# Altium PCB 3-as-manufactured.pcbdoc (part 5 of 12)
Units mil, origin at the board's own origin, x right, y up, seen from the top; angles counter-clockwise.
Board outline 2728 x 2217 mil, 8 copper layers (L1_TOP, L2_GND, L3_INNER1, L4_GND, L5_PWR, L6_INNER2, L7_GND, L8_BOT), stack 48.618 mil thick; 227 components, 321 nets, 1592 pads, 1187 vias.
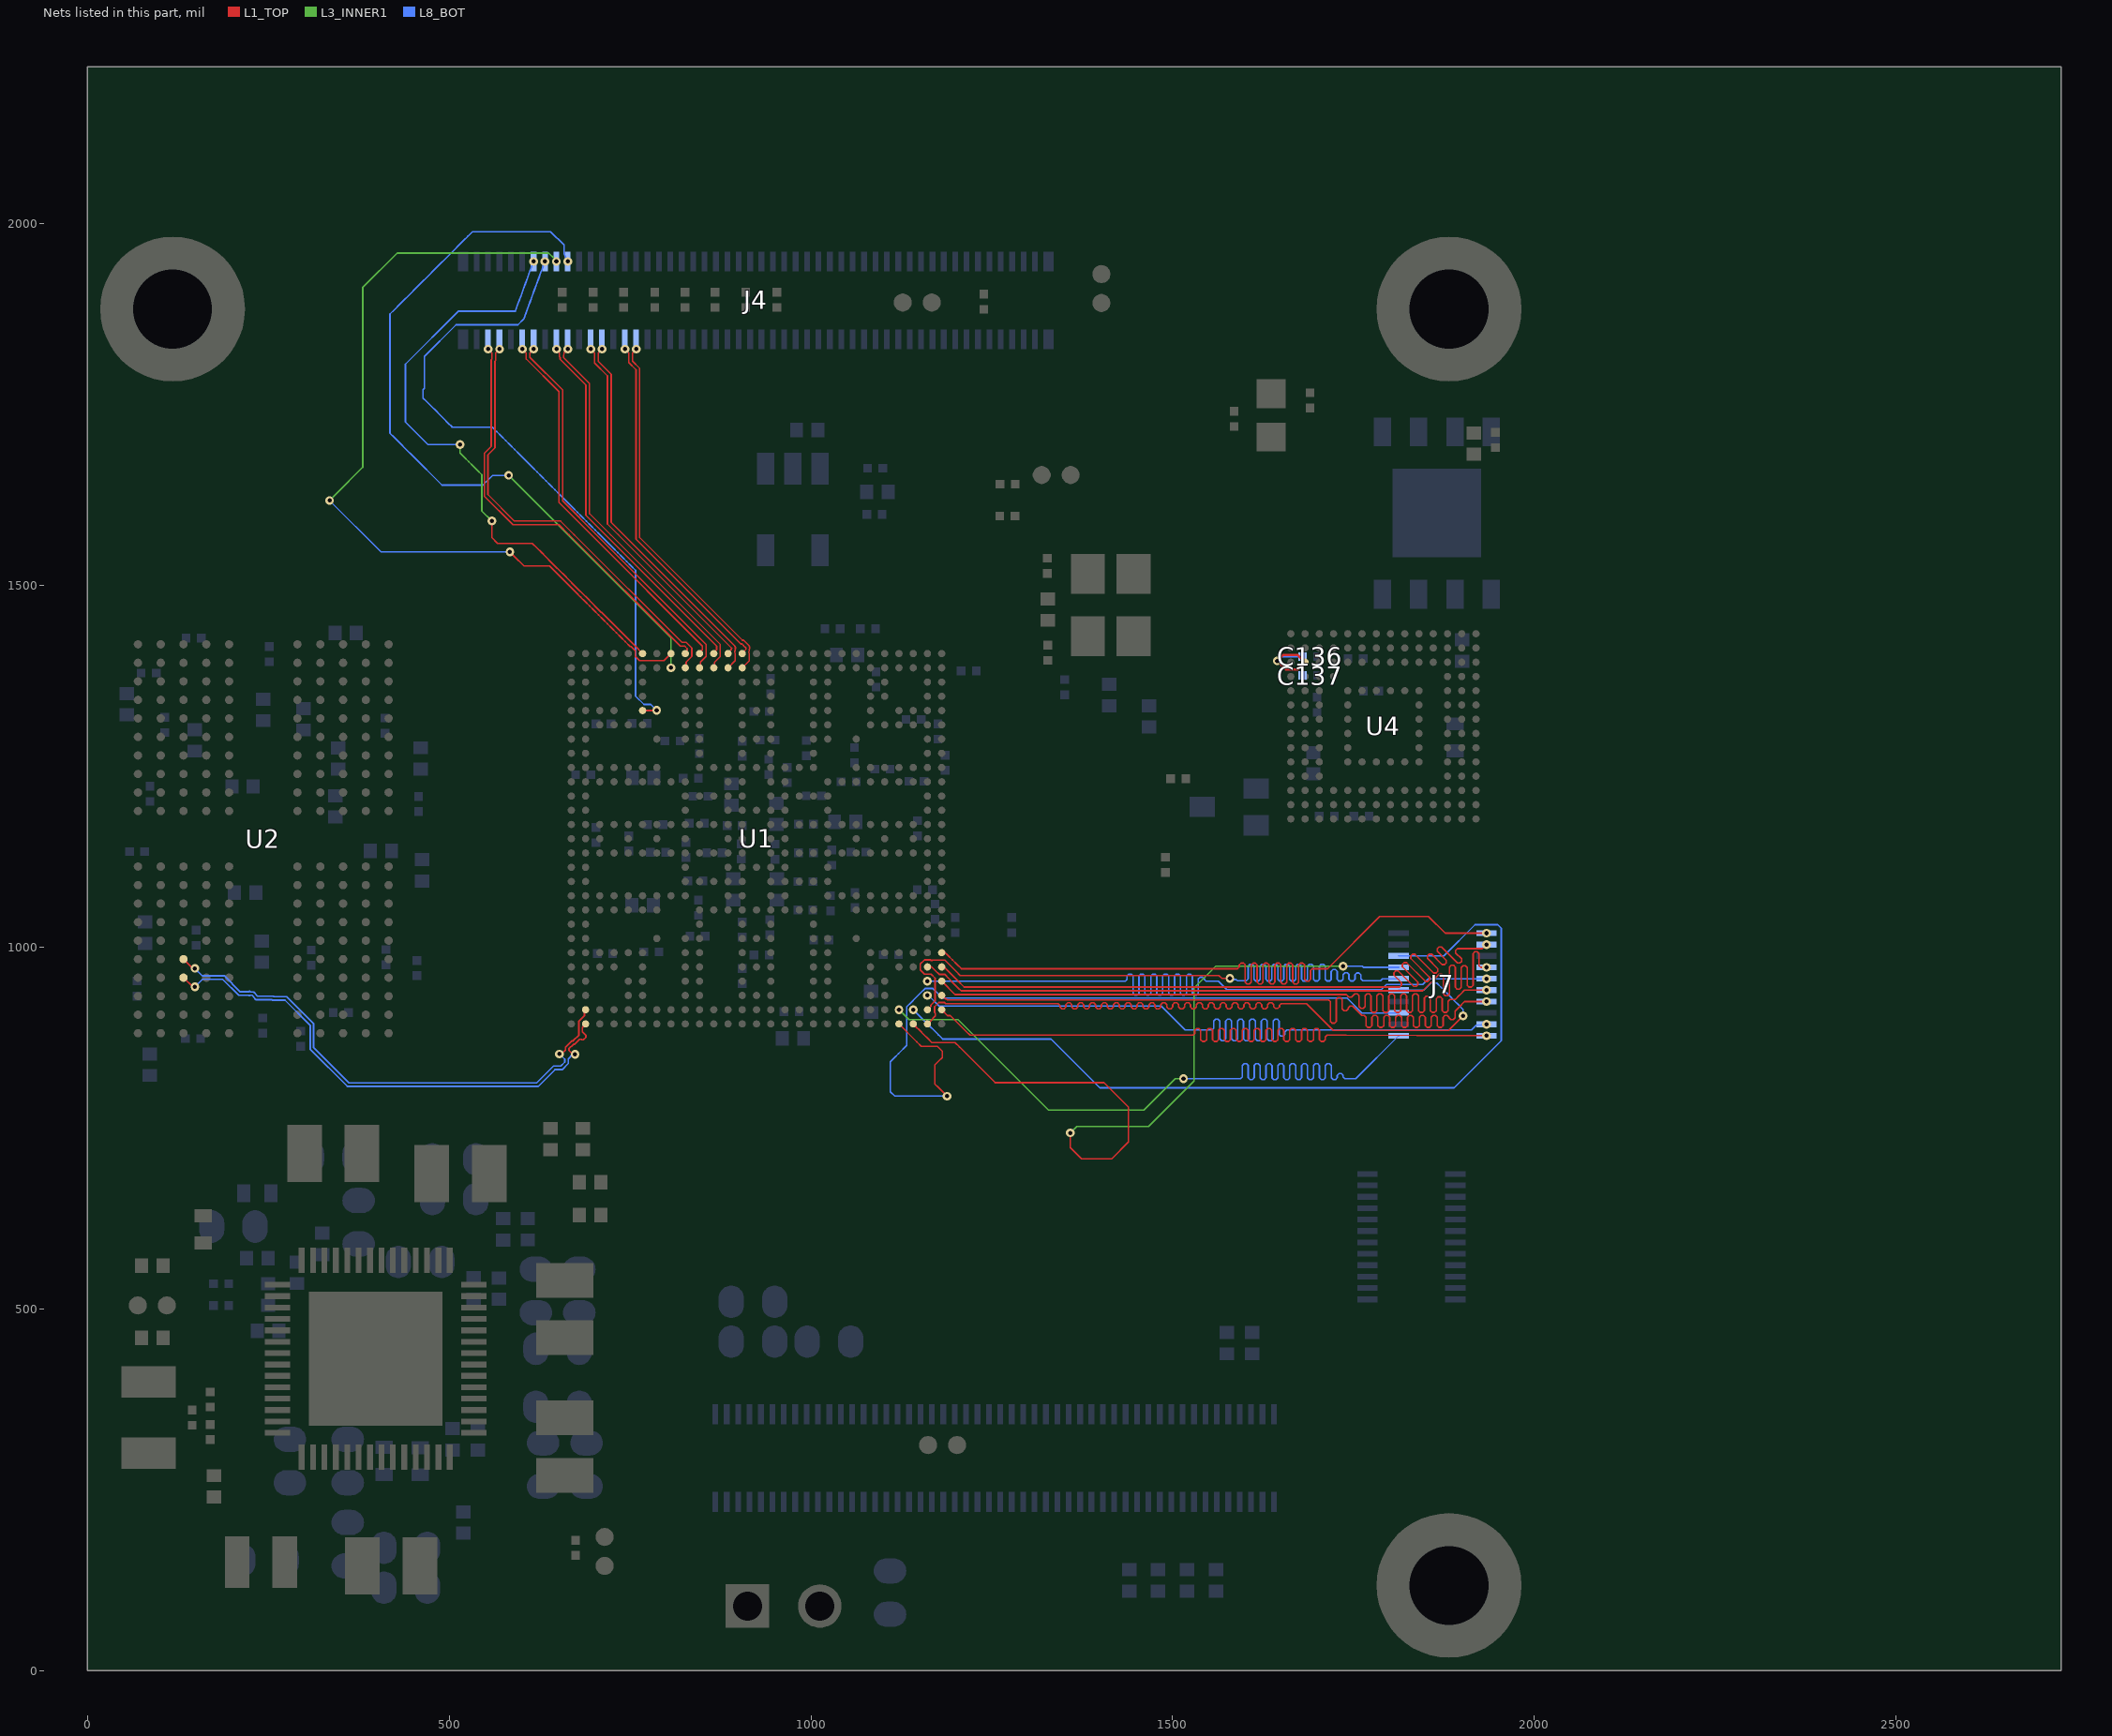
[diagram p11: the nets of this part, all layers, seen from the top]

## Via types
v1: diameter 12, hole 5.9, L1_TOP to L8_BOT, tented both sides, 1041 vias
v2: diameter 18, hole 8, L1_TOP to L8_BOT, tented both sides, 146 vias

## Nets (pads, with @x,y where several pads share a name; then routed paths per layer and width w, separated by ;. In a path a pad name is that pad's centre, name@x,y a point inside that pad or via, vN(x,y) a via of type N, cw(c..) or ccw(c..) an arc to the next point about the centre after c; other vN are vias at no path point) (continued)
DRAMB_SDQS1_C: U1.AF2 U2.E10 | length 722.2
  L1_TOP w2.3: U2.E10@133.09,983.56 145.88,970.77 v1(148.84,970.77) ; v1(652.41,852.45) 655.47,852.45 660.86,857.84 660.86,861.56 669.9,870.6 671.53,870.6 679.52,878.59 679.52,897.78 687.28,905.54 687.28,912.29 U1.AF2@688.67,913.68
  L8_BOT w2.3: v1(148.84,970.77) 159.23,960.38 168.32,960.38 168.54,960.6 189.19,960.6 211.39,938.4 223.4,938.4 224,939 ; 225.16,939 225.43,938.37 229.73,937.88 229.85,937.87 229.93,937.85 230.02,937.83 230.1,937.81 230.18,937.79 230.26,937.76 230.34,937.73 230.42,937.7 230.49,937.67 230.57,937.63 230.64,937.59 230.72,937.55 230.79,937.5 230.86,937.45 230.93,937.4 230.99,937.35 231.06,937.3 231.12,937.24 231.18,937.18 231.24,937.12 231.29,937.05 231.35,936.99 235.07,932.28 257.29,932.28 257.88,931.69 275.3,931.69 312.93,894.05 312.93,861.07 361.56,812.44 608.97,812.44 621.16,812.44 644.43,835.71 654.31,835.71 659.97,841.38 659.97,842.14 659.97,845.19 652.71,852.45 v1(652.41,852.45)
DRAMB_SDQS1_T: U1.AG2 U2.D10 | length 718.9
  L1_TOP w2.3: U2.D10@133.09,957.97 145.88,945.18 v1(148.84,945.18) ; v1(674.11,852.11) 671.05,852.11 665.66,857.5 665.66,859.57 671.89,865.8 673.51,865.8 673.77,866.06 680.46,872.74 682.8,872.74 683.41,872.13 685.76,872.13 689.28,875.65 689.28,878 684.32,882.96 684.32,888.78 687.92,892.38 688.67,893.13 U1.AG2@688.67,893.99
  L8_BOT w2.3: v1(148.84,945.18) 159.23,955.58 170.31,955.58 170.53,955.8 187.2,955.8 209.4,933.6 223.4,933.6 224,933 ; 224.96,933.43 224.89,933.6 228.21,933.23 232.03,928.39 232.09,928.33 232.14,928.27 232.2,928.2 232.26,928.14 232.32,928.09 232.39,928.03 232.45,927.98 232.52,927.93 232.59,927.88 232.66,927.84 232.74,927.79 232.81,927.75 232.89,927.72 232.96,927.68 233.04,927.65 233.12,927.62 233.2,927.59 233.28,927.57 233.36,927.55 233.45,927.53 233.53,927.52 233.61,927.5 233.7,927.49 233.78,927.49 233.87,927.49 ; 233.91,927.48 255.3,927.48 255.9,926.89 273.31,926.89 308.13,892.06 308.13,859.08 359.57,807.64 623.14,807.64 646.41,830.91 656.3,830.91 664.77,839.39 664.77,845.43 670.86,851.99 v1(674.11,852.11)
DSI_CK_N: J4.15 U1.A11 | length 511.7
  L1_TOP w2.1: v1@648.53,1826.15 648.53,1825.09 652.27,1821.35 652.27,1816.47 653.47,1815.27 653.47,1812.55 689.1,1776.93 689.1,1631.82 689.1,1607.04 689.1,1597.04 869.78,1416.36 869.78,1410.99 866.96,1408.17 U1.A11@866.96,1407.24
  other v1: 648.55,1826.55
DSI_CK_P: J4.17 U1.B11 | length 535.9
  L1_TOP w2.1: v1@664.28,1826.15 658.81,1821.42 658.57,1816.47 658.57,1814.67 694.2,1779.04 694.2,1599.15 723.35,1570 874.88,1418.47 874.88,1402.06 867.09,1394.27 867.09,1387.37 U1.B11@865.83,1386.12
  other v1: 664.3,1826.55
DSI_D0_N: J4.3 U1.A9 | length 585.1
  L1_TOP w2.1: v1@554.04,1826.15 554.46,1826.15 559.38,1821.23 559.38,1813.17 558.3,1812.08 558.3,1692.1 548.69,1682.49 548.69,1623.5 588.39,1583.8 651.94,1583.8 665.74,1570 819.68,1416.06 825.67,1416.06 829,1412.73 829,1410.48 826.47,1407.94 U1.A9@826.47,1405.81
  other v1: 554.06,1826.55
DSI_D0_P: J4.5 U1.B9 | length 608.1
  L1_TOP w2.1: v1@569.79,1826.15 569.41,1826.15 564.48,1821.23 564.48,1811.06 563.4,1809.97 563.4,1689.99 553.79,1680.38 553.79,1625.62 590.5,1588.9 654.06,1588.9 672.96,1570 821.8,1421.16 827.78,1421.16 835.52,1413.42 835.52,1402.06 827.73,1394.27 827.73,1387.38 U1.B9@826.47,1386.12
  other v1: 569.81,1826.55
DSI_D1_N: J4.9 U1.A10 | length 525.2
  L1_TOP w2.1: v1@601.29,1826.15 601.61,1826.15 606.75,1821 606.75,1812.93 651.8,1767.88 651.8,1614.65 696.46,1570 850.1,1416.36 850.1,1410.99 846.14,1407.03 U1.A10@846.15,1405.81
  other v1: 601.31,1826.55
DSI_D1_P: J4.11 U1.B10 | length 546.6
  L1_TOP w2.1: v1@617.03,1826.07 611.85,1820.9 611.85,1815.04 656.9,1770 656.9,1616.77 703.67,1570 855.2,1418.47 855.2,1402.06 847.41,1394.27 847.41,1387.38 U1.B10@846.15,1386.12
  other v1: 617.05,1826.55
DSI_D2_N: J4.21 U1.A12 | length 503.8
  L1_TOP w2.1: v1(695.79,1826.55) 701.11,1821.23 701.11,1807.5 718.95,1789.66 718.95,1584.96 733.91,1570 890.62,1413.29 890.83,1413.29 889.92,1412.38 889.92,1411.01 885.51,1406.6 U1.A12@885.52,1405.81
DSI_D2_P: J4.23 U1.B12 | length 524.6
  L1_TOP w2.1: v1@711.52,1826.15 711.14,1826.15 706.21,1821.23 706.21,1809.61 724.05,1791.77 724.05,1587.07 741.12,1570 895.1,1416.02 895.1,1415.81 895.17,1415.74 895.23,1415.67 895.28,1415.61 895.33,1415.54 895.38,1415.47 895.43,1415.4 895.47,1415.33 895.51,1415.26 895.55,1415.18 895.59,1415.11 895.62,1415.03 895.65,1414.95 895.68,1414.87 895.71,1414.79 895.73,1414.71 895.75,1414.62 895.77,1414.54 895.78,1414.46 895.79,1414.37 895.8,1414.29 895.8,1414.21 895.81,1414.12 895.8,1414.04 895.8,1413.95 895.79,1413.87 895.78,1413.78 895.77,1413.7 894.65,1407.21 895.31,1407.3 895.51,1407.32 ; U1.B12@885.52,1386.12 895.51,1396.1 895.51,1405.81
  other v1: 711.54,1826.55
DSI_D3_N: J4.27 U1.A13 | length 493.7
  L1_TOP w2.1: v1@743.02,1826.15 743.44,1826.15 748.36,1821.23 748.36,1807.95 758.41,1797.91 758.41,1570 758.41,1563.94 903.19,1419.16 904.8,1419.16 906.71,1417.24 906.71,1416.99 910.26,1413.45 910.51,1413.45 910.51,1412.04 905.7,1407.23 U1.A13@905.7,1405.17
  other v1: 743.04,1826.55
DSI_D3_P: J4.29 U1.B13 | length 513.9
  L1_TOP w2.1: v1@758.77,1826.15 758.39,1826.15 753.46,1821.23 753.46,1810.07 763.51,1800.02 763.51,1570 763.51,1566.05 905.3,1424.26 906.91,1424.26 914.8,1416.37 914.8,1415.94 914.84,1415.9 914.9,1415.84 914.95,1415.78 915.01,1415.71 915.06,1415.64 915.11,1415.57 915.15,1415.5 915.19,1415.43 915.23,1415.36 915.27,1415.28 915.31,1415.2 915.34,1415.12 915.37,1415.04 915.4,1414.97 915.42,1414.88 915.44,1414.8 915.46,1414.72 915.47,1414.64 915.49,1414.55 915.49,1414.47 915.5,1414.38 915.5,1414.3 915.5,1414.21 915.5,1414.13 915.5,1414.05 915.49,1413.96 915.48,1413.88 915.46,1413.79 914.19,1407.17 914.6,1407.25 914.92,1407.32 ; U1.B13@905.21,1386.12 914.91,1395.82 914.91,1405.81
  other v1: 758.79,1826.55
ECSPI2_MISO: J4.16 U1.A8 | length 1178.2
  L1_TOP w2.2: v1(584.05,1546.23) 590.3,1539.98 603.52,1526.75 612.41,1526.75 621.3,1526.75 630.18,1526.75 639.07,1526.75 645.21,1520.61 651.36,1514.46 657.5,1508.32 663.65,1502.17 669.79,1496.03 675.93,1489.88 682.08,1483.74 688.22,1477.59 694.37,1471.45 700.51,1465.31 706.66,1459.16 712.8,1453.02 718.95,1446.87 725.09,1440.73 731.23,1434.58 737.38,1428.44 743.52,1422.29 750.17,1415.65 751.81,1415.65 757.57,1409.89 757.57,1401.73 763.33,1395.97 771.49,1395.97 ; 771.51,1395.95 780.47,1395.95 788.69,1395.95 796.91,1395.95 U1.A8@806.78,1405.81
  L3_INNER1 w2.2: v1(334.87,1617.35) 343.46,1625.94 380.7,1663.18 380.7,1911.56 428.49,1959.35 637.69,1959.35 645.26,1951.79 v1@648.31,1947.76
  L8_BOT w2.2: v1(334.87,1617.35) 405.99,1546.23 414.9,1546.23 423.8,1546.23 432.7,1546.23 441.6,1546.23 450.51,1546.23 459.41,1546.23 468.31,1546.23 477.22,1546.23 486.12,1546.23 495.02,1546.23 503.92,1546.23 512.83,1546.23 521.73,1546.23 530.63,1546.23 539.54,1546.23 548.44,1546.23 557.34,1546.23 566.24,1546.23 575.15,1546.23 v1(584.05,1546.23)
  other v1: 648.3,1947.75
ECSPI2_MOSI: J4.18 U1.B8 | length 1041.8
  L3_INNER1 w2.2: v1(582.39,1652.12) 806.77,1427.73 v1(806.78,1386.12)
  L8_BOT w2.2: v1(582.39,1652.12) 560.24,1652.12 555.74,1647.61 551.23,1643.11 546.73,1638.61 538.66,1638.61 530.59,1638.61 490.23,1638.61 448.37,1680.47 442.39,1686.45 430.43,1698.41 424.45,1704.39 418.47,1710.37 418.47,1771.02 418.47,1814.34 418.47,1823.01 418.47,1866.33 418.47,1875 424.79,1881.32 431.12,1887.65 437.44,1893.97 443.77,1900.3 456.42,1912.95 462.75,1919.28 469.07,1925.6 481.72,1938.25 488.05,1944.58 494.38,1950.9 507.03,1963.56 513.35,1969.88 519.68,1976.21 526,1982.53 532.33,1988.86 640.41,1988.86 658.84,1970.42 658.84,1958.54 v1(664.05,1947.75)
ECSPI2_SCLK: J4.14 U1.E6 | length 924.8
  L1_TOP w2.2: U1.E6@767.41,1327.06 786.49,1327.06 v1(786.89,1327.46)
  L8_BOT w2.2: v1(632.55,1947.75) 629.63,1939.79 626.69,1931.82 623.76,1923.85 620.82,1915.89 617.89,1907.92 614.96,1899.95 612.02,1891.98 609.09,1884.02 606.15,1876.05 603.22,1868.08 595.25,1860.1 509.65,1860.1 466.16,1816.61 466.16,1772.6 464.06,1770.5 464.06,1759.01 469.81,1753.26 475.55,1747.51 481.3,1741.77 487.05,1736.02 492.79,1730.27 498.54,1724.53 503.97,1719.09 504.29,1718.77 512.22,1718.77 520.15,1718.77 528.08,1718.77 536.01,1718.77 543.94,1718.77 551.87,1718.77 559.8,1718.77 565.99,1712.58 572.17,1706.39 578.36,1700.2 584.55,1694.02 590.74,1687.83 596.93,1681.64 603.12,1675.45 609.31,1669.26 615.5,1663.07 621.69,1656.88 627.88,1650.69 634.06,1644.5 640.25,1638.31 646.44,1632.13 652.63,1625.94 658.82,1619.75 665.01,1613.56 671.2,1607.37 677.39,1601.18 683.58,1594.99 689.77,1588.8 695.95,1582.61 702.14,1576.42 708.33,1570.24 714.52,1564.05 720.71,1557.86 726.9,1551.67 733.09,1545.48 739.28,1539.29 745.47,1533.1 751.65,1526.91 757.84,1520.72 757.84,1512.04 757.84,1503.35 757.84,1494.66 757.84,1485.98 757.84,1477.29 757.84,1468.6 757.84,1459.92 757.84,1451.23 757.84,1442.54 757.84,1433.86 757.84,1425.17 757.84,1416.48 757.84,1407.8 757.84,1399.11 757.84,1390.42 757.84,1381.74 757.84,1373.05 757.84,1364.36 757.84,1355.67 757.84,1346.99 769.39,1335.43 778.92,1335.43 v1(786.89,1327.46)
ECSPI2_SS0: J4.12 U1.A6 | length 845.4
  L1_TOP w2.2: v1(559.16,1589.07) 559.16,1566.18 567.14,1558.21 575.12,1558.21 583.09,1558.21 591.07,1558.21 599.05,1558.21 607.02,1558.21 615,1558.21 621.35,1551.86 627.7,1545.51 634.05,1539.16 640.4,1532.81 646.74,1526.46 653.09,1520.11 659.44,1513.76 665.79,1507.41 672.14,1501.06 678.49,1494.71 684.84,1488.36 691.19,1482.01 697.54,1475.66 703.89,1469.31 710.24,1462.96 710.71,1462.96 761.97,1411.71 761.97,1411.23 U1.A6@767.39,1405.82
  L3_INNER1 w2.2: v1(515.12,1694.58) 515.12,1683.19 521.17,1677.14 527.23,1671.09 533.28,1665.03 539.33,1658.98 545.39,1652.93 545.39,1644.58 545.39,1636.24 545.39,1627.89 545.39,1619.54 545.39,1611.2 545.39,1602.85 v1(559.16,1589.07)
  L8_BOT w2.2: v1(515.12,1694.58) 506.56,1694.58 470.75,1694.58 439.73,1725.61 439.73,1734.53 439.73,1743.44 439.73,1752.35 439.73,1761.27 439.73,1770.18 439.73,1779.09 439.73,1788.01 439.73,1796.92 439.73,1805.83 512.72,1878.83 591.43,1878.83 594.25,1886.5 597.07,1894.15 599.89,1901.81 602.71,1909.47 605.53,1917.13 608.35,1924.78 611.17,1932.44 613.99,1940.1 v1(616.8,1947.75)
EMMC_VDDIM: C136.1 C137.1 U4.C2 | length 156.9
  L1_TOP w3: v1(1644.42,1395.66) 1656.22,1383.86 1672.93,1383.86 U4.C2@1682.91,1393.84 1673.04,1403.71 1652.47,1403.71 v1(1644.42,1395.66)
  L8_BOT w3: v1(1644.42,1395.66) 1650.42,1401.66 C136.1@1679.38,1401.66 C137.1@1679.38,1375.66
ENET_MDC: J7.18 U1.AC27 | length 1090.1
  L1_TOP w2.2: U1.AC27@1180.81,972.74 1182.42,974.35 1187.43,969.34 1192.58,964.2 1197.73,959.06 1202.87,953.91 1211.75,945.04 1812.12,945.04 1813.68,945.04 1816.14,947.5 1816.14,950.98 1805.77,961.34 1805.77,964.82 1808.09,967.14 1811.57,967.14 1832.93,945.78 1836.41,945.78 1838.73,948.1 1838.73,951.58 1817.37,972.93 1817.37,976.41 1819.69,978.73 1823.17,978.73 1849.03,952.87 1852.51,952.87 1854.83,955.19 1854.83,958.67 1828.97,984.53 1828.97,988.01 1831.28,990.33 1834.76,990.33 1860.62,964.47 1864.1,964.47 1866.42,966.79 1866.42,970.27 1852.07,984.62 1852.07,988.09 1854.39,990.41 1857.87,990.41 1872.22,976.07 1875.7,976.07 1878.02,978.38 1878.02,981.86 1865.53,994.36 1865.53,997.84 1867.85,1000.16 1871.32,1000.16 1893.34,978.14 1896.81,978.14 1899.13,980.46 1899.13,983.94 1890.97,992.1 1890.97,995.58 1893.43,998.04 1920.97,998.04 1927.82,998.04 v1(1933.49,1003.69)
ENET_MDIO: J7.20 U1.AB27 | length 1103.4
  L1_TOP w2.2: U1.AB27@1180.8,992.42 1183.28,994.89 1189.42,988.75 1195.56,982.61 1201.7,976.47 1207.83,970.33 1216.69,970.33 1225.54,970.33 1234.39,970.33 1243.24,970.33 1252.1,970.33 1260.95,970.33 1269.8,970.33 1278.65,970.33 1287.5,970.33 1296.36,970.33 1305.21,970.33 1314.06,970.33 1322.91,970.33 1331.77,970.33 1340.62,970.33 1349.47,970.33 1358.32,970.33 1367.17,970.33 1376.03,970.33 1384.88,970.33 1393.73,970.33 1402.58,970.33 1411.44,970.33 1420.29,970.33 1429.14,970.33 1437.99,970.33 1446.84,970.33 1455.7,970.33 1464.55,970.33 1473.4,970.33 1482.25,970.33 1491.11,970.33 1499.96,970.33 1508.81,970.33 1517.66,970.33 1526.51,970.33 1535.37,970.33 1544.22,970.33 1553.07,970.33 1561.92,970.33 1570.78,970.33 1579.63,970.33 1588.48,970.33 1589.58,970.33 1592.04,972.79 1592.04,975.54 1594.5,978 1597.78,978 1600.24,975.54 1600.24,951.7 1602.7,949.24 1605.98,949.24 1608.44,951.7 1608.44,975.54 1610.9,978 1614.18,978 1616.64,975.54 1616.64,951.7 1619.1,949.24 1622.38,949.24 1624.84,951.7 1624.84,975.54 1627.3,978 1630.58,978 1633.04,975.54 1633.04,951.7 1635.5,949.24 1638.78,949.24 1641.24,951.7 1641.24,975.54 1643.7,978 1646.98,978 1649.44,975.54 1649.44,951.7 1651.9,949.24 1655.18,949.24 1657.64,951.7 1657.64,975.54 1660.1,978 1663.38,978 1665.84,975.54 1665.84,951.7 1668.3,949.24 1671.58,949.24 1674.04,951.7 1674.04,975.54 1676.5,978 1679.78,978 1682.24,975.54 1682.24,955.48 1684.7,953.02 1687.98,953.02 1690.44,955.48 1690.44,967.87 1692.9,970.33 1710.12,970.33 1714.09,970.33 1786.17,1042.41 1853.55,1042.41 1876.51,1019.45 v1@1933.48,1019.45
  other v1: 1933.49,1019.44
ENET_RD0: J7.8 U1.AE27 | length 1051.4
  L1_TOP w2.2: U1.AE27@1180.8,933.36 1185.45,928.72 1187.03,928.72 1188.41,927.34 1706.13,927.34 1715.43,927.34 1717.89,924.88 1717.89,897.51 1720.35,895.05 1723.63,895.05 1726.09,897.51 1726.09,927.98 1728.55,930.44 1731.83,930.44 1734.29,927.98 1734.29,914.72 1736.75,912.26 1740.03,912.26 1742.49,914.72 1742.49,916.24 1744.95,918.7 1748.42,918.7 1761.38,905.74 1764.63,905.74 1767.09,903.28 1767.09,891.66 1769.55,889.2 1772.83,889.2 1775.29,891.66 1775.29,903.28 1777.75,905.74 1781.03,905.74 1783.49,903.28 1783.49,891.66 1785.95,889.2 1789.23,889.2 1791.69,891.66 1791.69,903.28 1794.15,905.74 1797.43,905.74 1799.89,903.28 1799.89,891.66 1802.35,889.2 1805.63,889.2 1808.09,891.66 1808.09,903.28 1810.55,905.74 1813.83,905.74 1816.29,903.28 1816.29,891.66 1818.75,889.2 1822.03,889.2 1824.49,891.66 1824.49,903.28 1826.95,905.74 1830.23,905.74 1832.69,903.28 1832.69,891.66 1835.15,889.2 1838.43,889.2 1840.89,891.66 1840.89,903.28 1843.35,905.74 1846.63,905.74 1849.09,903.28 1849.09,891.66 1851.55,889.2 1854.83,889.2 1857.29,891.66 1857.29,903.28 1859.75,905.74 1863.03,905.74 1865.49,903.28 1865.49,891.66 1867.95,889.2 1871.23,889.2 1873.69,891.66 1873.69,903.28 1876.15,905.74 1879.43,905.74 1881.89,903.28 1881.89,902.37 1884.35,899.91 1887.63,899.91 1890.09,902.37 1890.09,911.74 1895.27,916.93 1903.3,924.96 v1(1933.49,924.95)
ENET_RD1: J7.10 U1.AD27 | length 1100.3
  L1_TOP w2.2: U1.AD27@1180.8,953.05 1199.22,934.64 1739.84,934.64 1742.37,932.11 1743.61,930.86 1747.09,930.86 1751.87,935.64 1755.15,935.64 1757.61,933.18 1757.61,917.92 1760.07,915.46 1763.35,915.46 1765.81,917.92 1765.81,933.18 1768.27,935.64 1771.55,935.64 1774.01,933.18 1774.01,912.4 1776.47,909.94 1779.75,909.94 1782.21,912.4 1782.21,933.18 1784.67,935.64 1787.95,935.64 1790.41,933.18 1790.41,912.4 1792.87,909.94 1796.15,909.94 1798.61,912.4 1798.61,933.18 1801.07,935.64 1804.35,935.64 1806.81,933.18 1806.81,912.4 1809.27,909.94 1812.55,909.94 1815.01,912.4 1815.01,933.18 1817.47,935.64 1820.75,935.64 1823.21,933.18 1823.21,912.4 1825.67,909.94 1828.95,909.94 1831.41,912.4 1831.41,933.18 1833.87,935.64 1837.15,935.64 1839.61,933.18 1839.61,912.4 1842.07,909.94 1845.35,909.94 1847.81,912.4 1847.81,929.95 1850.27,932.41 1853.55,932.41 1856.01,929.95 1856.01,912.4 1858.47,909.94 1861.75,909.94 1864.21,912.4 1864.21,928.85 1866.67,931.31 1869.95,931.31 1872.41,928.85 1872.41,912.4 1874.87,909.94 1878.15,909.94 1880.61,912.4 1880.61,925.39 1883.07,927.85 1890.54,927.85 1896.15,933.46 1897.25,934.56 1903.4,940.71 v1(1933.49,940.7)
ENET_RD2: J7.12 U1.AD26 | length 1101.3
  L8_BOT w2.2: v1(1161.11,953.05) 1166.14,953.05 1174.96,953.05 1183.79,953.05 1192.61,953.05 1201.43,953.05 1210.25,953.05 1219.08,953.05 1227.9,953.05 1236.72,953.05 1245.54,953.05 1254.37,953.05 1263.19,953.05 1272.01,953.05 1280.83,953.05 1289.66,953.05 1298.48,953.05 1307.3,953.05 1316.12,953.05 1324.95,953.05 1333.77,953.05 1342.59,953.05 1351.41,953.05 1360.24,953.05 1369.06,953.05 1377.88,953.05 1386.7,953.05 1395.53,953.05 1404.35,953.05 1413.17,953.05 1421.99,953.05 1430.82,953.05 1433.43,953.05 1434.53,953.05 1436.99,955.51 1436.99,960.42 1439.45,962.88 1442.73,962.88 1445.19,960.42 1445.19,936.42 1447.65,933.96 1450.93,933.96 1453.39,936.42 1453.39,960.42 1455.85,962.88 1459.13,962.88 1461.59,960.42 1461.59,936.42 1464.05,933.96 1467.33,933.96 1469.79,936.42 1469.79,960.42 1472.25,962.88 1475.53,962.88 1477.99,960.42 1477.99,936.42 1480.45,933.96 1483.73,933.96 1486.19,936.42 1486.19,960.42 1488.65,962.88 1491.93,962.88 1494.39,960.42 1494.39,936.42 1496.85,933.96 1500.13,933.96 1502.59,936.42 1502.59,960.42 1505.05,962.88 1508.33,962.88 1510.79,960.42 1510.79,936.42 1513.25,933.96 1516.53,933.96 1518.99,936.42 1518.99,960.42 1521.45,962.88 1524.73,962.88 1527.19,960.42 1527.19,936.42 1529.65,933.96 1532.93,933.96 1535.39,936.42 1535.39,956.11 1537.85,958.57 1541.13,958.57 1543.59,956.11 1543.59,955.51 1546.05,953.05 1558.74,953.05 1563.15,953.05 1574.92,941.29 1788.03,941.29 1789.85,943.1 1795.29,948.54 1803.65,948.54 1812.02,948.54 1820.39,948.54 1828.76,948.54 1837.12,948.54 1845.49,948.54 1849.44,952.49 1853.39,956.44 1861.65,956.44 1869.91,956.44 1878.17,956.44 1886.44,956.44 1894.7,956.44 1902.96,956.44 1911.23,956.44 1919.49,956.44 v1(1933.49,956.44)
ENET_RD3: J7.14 U1.AC26 | length 1012.3
  L1_TOP w2.2: U1.AC26@1161.1,972.74 1166.86,972.76 1171.94,967.67 1177.03,962.59 1184.74,962.59 1191.08,956.25 1197.42,949.91 1203.76,943.57 1207.49,939.84 1225,939.84 1845.41,939.84 1848.47,942.9 1854.46,948.89 1860.29,954.72 1868.24,962.66 1871.71,962.66 1874.17,960.2 1874.17,935.49 1876.63,933.03 1879.91,933.03 1882.37,935.49 1882.37,972.52 1884.83,974.98 1888.11,974.98 1890.57,972.52 1890.57,944.48 1893.03,942.02 1896.31,942.02 1898.77,944.48 1898.77,971.97 1901.23,974.43 1904.51,974.43 1906.97,971.97 1906.97,947.37 1909.43,944.91 1912.71,944.91 1915.17,947.37 1915.17,991.38 1917.63,993.84 1920.91,993.84 1923.37,991.38 1923.37,974.66 1925.83,972.2 1928.46,972.2 v1(1933.49,972.19)
ENET_RX_CTL: J7.2 U1.AF27 | length 1096.2
  L1_TOP w2.2: U1.AF27@1180.8,913.68 1188.95,905.54 1190.88,905.54 1192.82,905.54 1198.23,900.12 1209.07,889.29 1214.48,883.87 1219.9,878.46 1291.62,878.46 1345.41,878.46 1444.03,878.46 1526.96,878.46 1528.06,878.46 1530.52,880.92 1530.52,885.26 1532.98,887.72 1536.26,887.72 1538.72,885.26 1538.72,872.22 1541.18,869.76 1544.46,869.76 1546.92,872.22 1546.92,885.26 1549.38,887.72 1552.66,887.72 1555.12,885.26 1555.12,872.22 1557.58,869.76 1560.86,869.76 1563.32,872.22 1563.32,885.26 1565.78,887.72 1569.06,887.72 1571.52,885.26 1571.52,872.22 1573.98,869.76 1577.26,869.76 1579.72,872.22 1579.72,885.26 1582.18,887.72 1585.46,887.72 1587.92,885.26 1587.92,872.22 1590.38,869.76 1593.66,869.76 1596.12,872.22 1596.12,885.26 1598.58,887.72 1601.86,887.72 1604.32,885.26 1604.32,872.22 1606.78,869.76 1610.06,869.76 1612.52,872.22 1612.52,885.26 1614.98,887.72 1618.26,887.72 1620.72,885.26 1620.72,872.22 1623.18,869.76 1626.46,869.76 1628.92,872.22 1628.92,885.26 1631.38,887.72 1634.66,887.72 1637.12,885.26 1637.12,872.22 1639.58,869.76 1642.86,869.76 1645.32,872.22 1645.32,885.26 1647.78,887.72 1651.06,887.72 1653.52,885.26 1653.52,872.22 1655.98,869.76 1659.26,869.76 1661.72,872.22 1661.72,885.26 1664.18,887.72 1667.46,887.72 1669.92,885.26 1669.92,872.22 1672.38,869.76 1675.66,869.76 1678.12,872.22 1678.12,885.26 1680.58,887.72 1683.86,887.72 1686.32,885.26 1686.32,872.22 1688.78,869.76 1692.06,869.76 1694.52,872.22 1694.52,885.26 1696.98,887.72 1700.26,887.72 1702.72,885.26 1702.72,872.22 1705.18,869.76 1708.46,869.76 1710.92,872.22 1710.92,876 1713.38,878.46 1717.47,878.46 1739.88,878.46 v1(1933.49,877.7)
ENET_RXC: J7.4 U1.AE26 | length 1101.3
  L8_BOT w2.2: v1(1161.11,933.36) 1162.65,933.36 1177.32,918.68 1484.21,918.68 1517.34,885.55 1553.3,885.55 1554.4,885.55 1556.86,888.01 1556.86,898.02 1559.32,900.48 1562.6,900.48 1565.06,898.02 1565.06,873.22 1567.52,870.76 1570.8,870.76 1573.26,873.22 1573.26,898.02 1575.72,900.48 1579,900.48 1581.46,898.02 1581.46,873.22 1583.92,870.76 1587.2,870.76 1589.66,873.22 1589.66,898.02 1592.12,900.48 1595.4,900.48 1597.86,898.02 1597.86,873.22 1600.32,870.76 1603.6,870.76 1606.06,873.22 1606.06,898.02 1608.52,900.48 1611.8,900.48 1614.26,898.02 1614.26,873.22 1616.72,870.76 1620,870.76 1622.46,873.22 1622.46,898.02 1624.92,900.48 1628.2,900.48 1630.66,898.02 1630.66,873.22 1633.12,870.76 1636.4,870.76 1638.86,873.22 1638.86,898.02 1641.32,900.48 1644.6,900.48 1647.06,898.02 1647.06,879.63 1649.52,877.17 1652.8,877.17 1655.26,879.63 1655.26,883.09 1657.72,885.55 1690.28,885.55 1805.03,885.55 1912.92,885.55 1919.48,892.11 v1(1933.49,893.45)
ENET_TD0: J7.9 U1.AG26 | length 1101.3
  L1_TOP w2.2: U1.AG26@1161.11,893.99 1164.67,897.54 1172.15,905.02 1172.15,908.41 1170.96,909.6 1170.96,917.76 1176.72,923.52 1184.88,923.52 1186.25,922.14 1332.46,922.14 1341.76,922.14 1344.22,919.68 1344.22,917.43 1346.68,914.97 1349.96,914.97 1352.42,917.43 1352.42,920.68 1354.88,923.14 1358.16,923.14 1360.62,920.68 1360.62,917.43 1363.08,914.97 1366.36,914.97 1368.82,917.43 1368.82,920.68 1371.28,923.14 1374.56,923.14 1377.02,920.68 1377.02,917.43 1379.48,914.97 1382.76,914.97 1385.22,917.43 1385.22,920.68 1387.68,923.14 1390.96,923.14 1393.42,920.68 1393.42,917.43 1395.88,914.97 1399.16,914.97 1401.62,917.43 1401.62,920.68 1404.08,923.14 1407.36,923.14 1409.82,920.68 1409.82,917.43 1412.28,914.97 1415.56,914.97 1418.02,917.43 1418.02,920.68 1420.48,923.14 1423.76,923.14 1426.22,920.68 1426.22,917.43 1428.68,914.97 1431.96,914.97 1434.42,917.43 1434.42,920.68 1436.88,923.14 1440.16,923.14 1442.62,920.68 1442.62,917.43 1445.08,914.97 1448.36,914.97 1450.82,917.43 1450.82,920.68 1453.28,923.14 1456.56,923.14 1459.02,920.68 1459.02,917.43 1461.48,914.97 1464.76,914.97 1467.22,917.43 1467.22,920.68 1469.68,923.14 1472.96,923.14 1475.42,920.68 1475.42,917.43 1477.88,914.97 1481.16,914.97 1483.62,917.43 1483.62,920.68 1486.08,923.14 1489.36,923.14 1491.82,920.68 1491.82,917.43 1494.28,914.97 1497.56,914.97 1500.02,917.43 1500.02,920.68 1502.48,923.14 1505.76,923.14 1508.22,920.68 1508.22,917.43 1510.68,914.97 1513.96,914.97 1516.42,917.43 1516.42,920.68 1518.88,923.14 1522.16,923.14 1524.62,920.68 1524.62,917.43 1527.08,914.97 1530.36,914.97 1532.82,917.43 1532.82,920.68 1535.28,923.14 1538.56,923.14 1541.02,920.68 1541.02,917.43 1543.48,914.97 1546.76,914.97 1549.22,917.43 1549.22,920.68 1551.68,923.14 1554.96,923.14 1557.42,920.68 1557.42,917.43 1559.88,914.97 1563.16,914.97 1565.62,917.43 1565.62,920.68 1568.08,923.14 1571.36,923.14 1573.82,920.68 1573.82,917.43 1576.28,914.97 1579.56,914.97 1582.02,917.43 1582.02,920.68 1584.48,923.14 1587.76,923.14 1590.22,920.68 1590.22,917.43 1592.68,914.97 1595.96,914.97 1598.42,917.43 1598.42,920.68 1600.88,923.14 1604.16,923.14 1606.62,920.68 1606.62,917.43 1609.08,914.97 1612.36,914.97 1614.82,917.43 1614.82,920.68 1617.28,923.14 1620.56,923.14 1623.02,920.68 1623.02,917.43 1625.48,914.97 1628.76,914.97 1631.22,917.43 1631.22,920.68 1633.68,923.14 1636.96,923.14 1639.42,920.68 1639.42,917.78 1641.88,915.32 1645.16,915.32 1647.62,917.78 1647.62,919.68 1650.08,922.14 1678.36,922.14 1684.86,922.14 1722,885 1881.11,885 1892.7,896.59 v1(1901.42,905.31)
  L8_BOT w2.2: J7.9@1812.23,940.7 1847.09,940.69 1851.93,945.52 1856.76,950.35 1864.98,950.35 1871.05,944.28 1877.13,938.21 1883.2,932.13 1889.27,926.06 1895.35,919.99 1901.42,913.91 v1(1901.42,905.31)
ENET_TD1: J7.11 U1.AF26 | length 1101.3
  L1_TOP w2.2: U1.AF26@1161.11,913.68 1165.76,918.34 1165.76,919.91 1171.54,925.69 1171.54,957.38 1166.04,962.88 1157.06,962.88 1151.27,968.66 1151.27,976.82 1157.03,982.58 1165.19,982.58 1165.87,981.89 1167.7,981.89 1168.07,982.27 1185.2,982.27 1201.14,966.33 1206.46,961.02 1564.02,961.02 1568.04,957 v1(1579,957)
  L8_BOT w2.2: v1(1579,957) 1580.61,955.39 1587.86,955.39 1589.4,953.85 1600.7,953.85 1601.8,953.85 1604.26,956.31 1604.26,974.09 1606.72,976.55 1610,976.55 1612.46,974.09 1612.46,955.75 1614.92,953.29 1618.2,953.29 1620.66,955.75 1620.66,974.09 1623.12,976.55 1626.4,976.55 1628.86,974.09 1628.86,955.75 1631.32,953.29 1634.6,953.29 1637.06,955.75 1637.06,974.09 1639.52,976.55 1642.8,976.55 1645.26,974.09 1645.26,955.75 1647.72,953.29 1651,953.29 1653.46,955.75 1653.46,974.09 1655.92,976.55 1659.2,976.55 1661.66,974.09 1661.66,955.75 1664.12,953.29 1667.4,953.29 1669.86,955.75 1669.86,974.09 1672.32,976.55 1675.6,976.55 1678.06,974.09 1678.06,955.75 1680.52,953.29 1683.8,953.29 1686.26,955.75 1686.26,974.09 1688.72,976.55 1692,976.55 1694.46,974.09 1694.46,955.75 1696.92,953.29 1700.2,953.29 1702.66,955.75 1702.66,974.09 1705.12,976.55 1708.4,976.55 1710.86,974.09 1710.86,955.75 1713.32,953.29 1716.6,953.29 1719.06,955.75 1719.06,966.62 1721.52,969.08 1724.8,969.08 1727.26,966.62 1727.26,955.75 1729.72,953.29 1733,953.29 1735.46,955.75 1735.46,962.28 1737.92,964.74 1741.2,964.74 1743.66,962.28 1743.66,955.75 1746.12,953.29 1749.4,953.29 1751.86,955.75 1751.86,961.87 1754.32,964.33 1757.6,964.33 1760.06,961.87 1760.06,956.31 1762.52,953.85 1781.25,953.85 1787.42,953.85 1790.01,956.44 J7.11@1812.23,956.44
ENET_TD2: J7.13 U1.AG25 | length 1135.2
  L1_TOP w2.2: U1.AG25@1141.43,893.99 1144.98,890.43 1150.51,884.9 1156.05,879.37 1161.58,873.83 1167.11,868.3 1199.27,868.3 1205.43,862.15 1254.66,812.91 1405.29,812.91 1439,779.2 1439,731 1415.77,707.77 1373.82,707.77 1358.59,723 v1(1358.59,743.44)
  L3_INNER1 w2.2: v1(1358.59,743.44) 1367.53,752.38 1466.83,752.38 1529.46,815.01 1529.46,943.63 1559.68,973.84 v1(1735.37,973.84)
  L8_BOT w2.2: v1(1735.37,973.84) 1761.82,973.84 1763.48,972.18 J7.13@1812.23,972.19
ENET_TD3: J7.15 U1.AF25 | length 1201.3
  L8_BOT w2.2: v1(1141.43,913.68) 1147.25,907.87 1153.06,902.07 1158.87,896.26 1164.67,890.45 1170.48,884.64 1176.29,878.83 1182.1,873.03 1190.91,873.03 1199.72,873.03 1208.53,873.03 1217.35,873.03 1226.16,873.03 1234.97,873.03 1243.78,873.03 1252.59,873.03 1261.41,873.03 1270.22,873.03 1279.03,873.03 1287.84,873.03 1296.65,873.03 1305.46,873.03 1314.28,873.03 1323.09,873.03 1331.9,873.03 1399.24,805.69 1888.75,805.69 1954.04,870.98 1954.04,1026.15 1949.14,1031.05 1917.83,1031.05 1874.72,987.93 1826.22,987.93 J7.15@1812.22,987.93
ENET_TX_CTL: J7.1 U1.AF24 | length 1101.3
  L3_INNER1 w2.2: v1(1121.74,913.68) 1125.3,910.14 1135.57,899.87 1203.41,899.87 1328.34,774.94 1460.12,774.94 1503.43,818.25 v1(1514.94,818.25)
  L8_BOT w2.2: v1(1514.94,818.25) 1592.64,818.25 1593.74,818.25 1596.2,820.71 1596.2,836.43 1598.66,838.89 1601.94,838.89 1604.4,836.43 1604.4,819.57 1606.86,817.11 1610.14,817.11 1612.6,819.57 1612.6,836.43 1615.06,838.89 1618.34,838.89 1620.8,836.43 1620.8,819.57 1623.26,817.11 1626.54,817.11 1629,819.57 1629,836.43 1631.46,838.89 1634.74,838.89 1637.2,836.43 1637.2,819.57 1639.66,817.11 1642.94,817.11 1645.4,819.57 1645.4,836.43 1647.86,838.89 1651.14,838.89 1653.6,836.43 1653.6,819.57 1656.06,817.11 1659.34,817.11 1661.8,819.57 1661.8,836.43 1664.26,838.89 1667.54,838.89 1670,836.43 1670,819.57 1672.46,817.11 1675.74,817.11 1678.2,819.57 1678.2,836.43 1680.66,838.89 1683.94,838.89 1686.4,836.43 1686.4,819.57 1688.86,817.11 1692.14,817.11 1694.6,819.57 1694.6,836.43 1697.06,838.89 1700.34,838.89 1702.8,836.43 1702.8,819.57 1705.26,817.11 1708.54,817.11 1711,819.57 1711,836.43 1713.46,838.89 1716.74,838.89 1719.2,836.43 1719.2,819.57 1721.66,817.11 1724.94,817.11 1727.4,819.57 1727.4,822.86 1729.86,825.32 1733.14,825.32 1735.6,822.86 1735.6,820.71 1738.06,818.25 1740.1,818.25 1752.78,818.25 J7.1@1812.23,877.7
ENET_TXC: J7.5 U1.AG24 | length 1060.9
  L1_TOP w2.2: U1.AG24@1121.74,893.99 1146.47,869.26 1152.66,863.07 1174.89,863.07 1181.74,856.22 1181.74,847.68 1176.61,842.56 1171.49,837.43 1171.49,810.92 1175.89,806.52 1180.29,802.11 v1(1188.22,794.19)
  L8_BOT w2.2: v1(1188.22,794.19) 1170.8,794.19 1153.39,794.19 1115.98,794.19 1109.85,800.32 1109.85,802.1 1109.85,810 1109.85,817.91 1109.85,841.62 1115.51,847.28 1121.17,852.94 1132.48,864.26 1132.48,909.76 1132.33,909.91 1132.33,917.45 1132.48,917.6 1132.48,917.82 1138.75,924.09 1145.02,930.36 1151.29,936.63 1157.56,942.9 1168.76,942.9 1174.19,937.47 1181.9,929.76 1740.91,929.76 1761.48,909.19 J7.5@1812.23,909.2